# KiCad board UniDebug.kicad_pcb (continued)
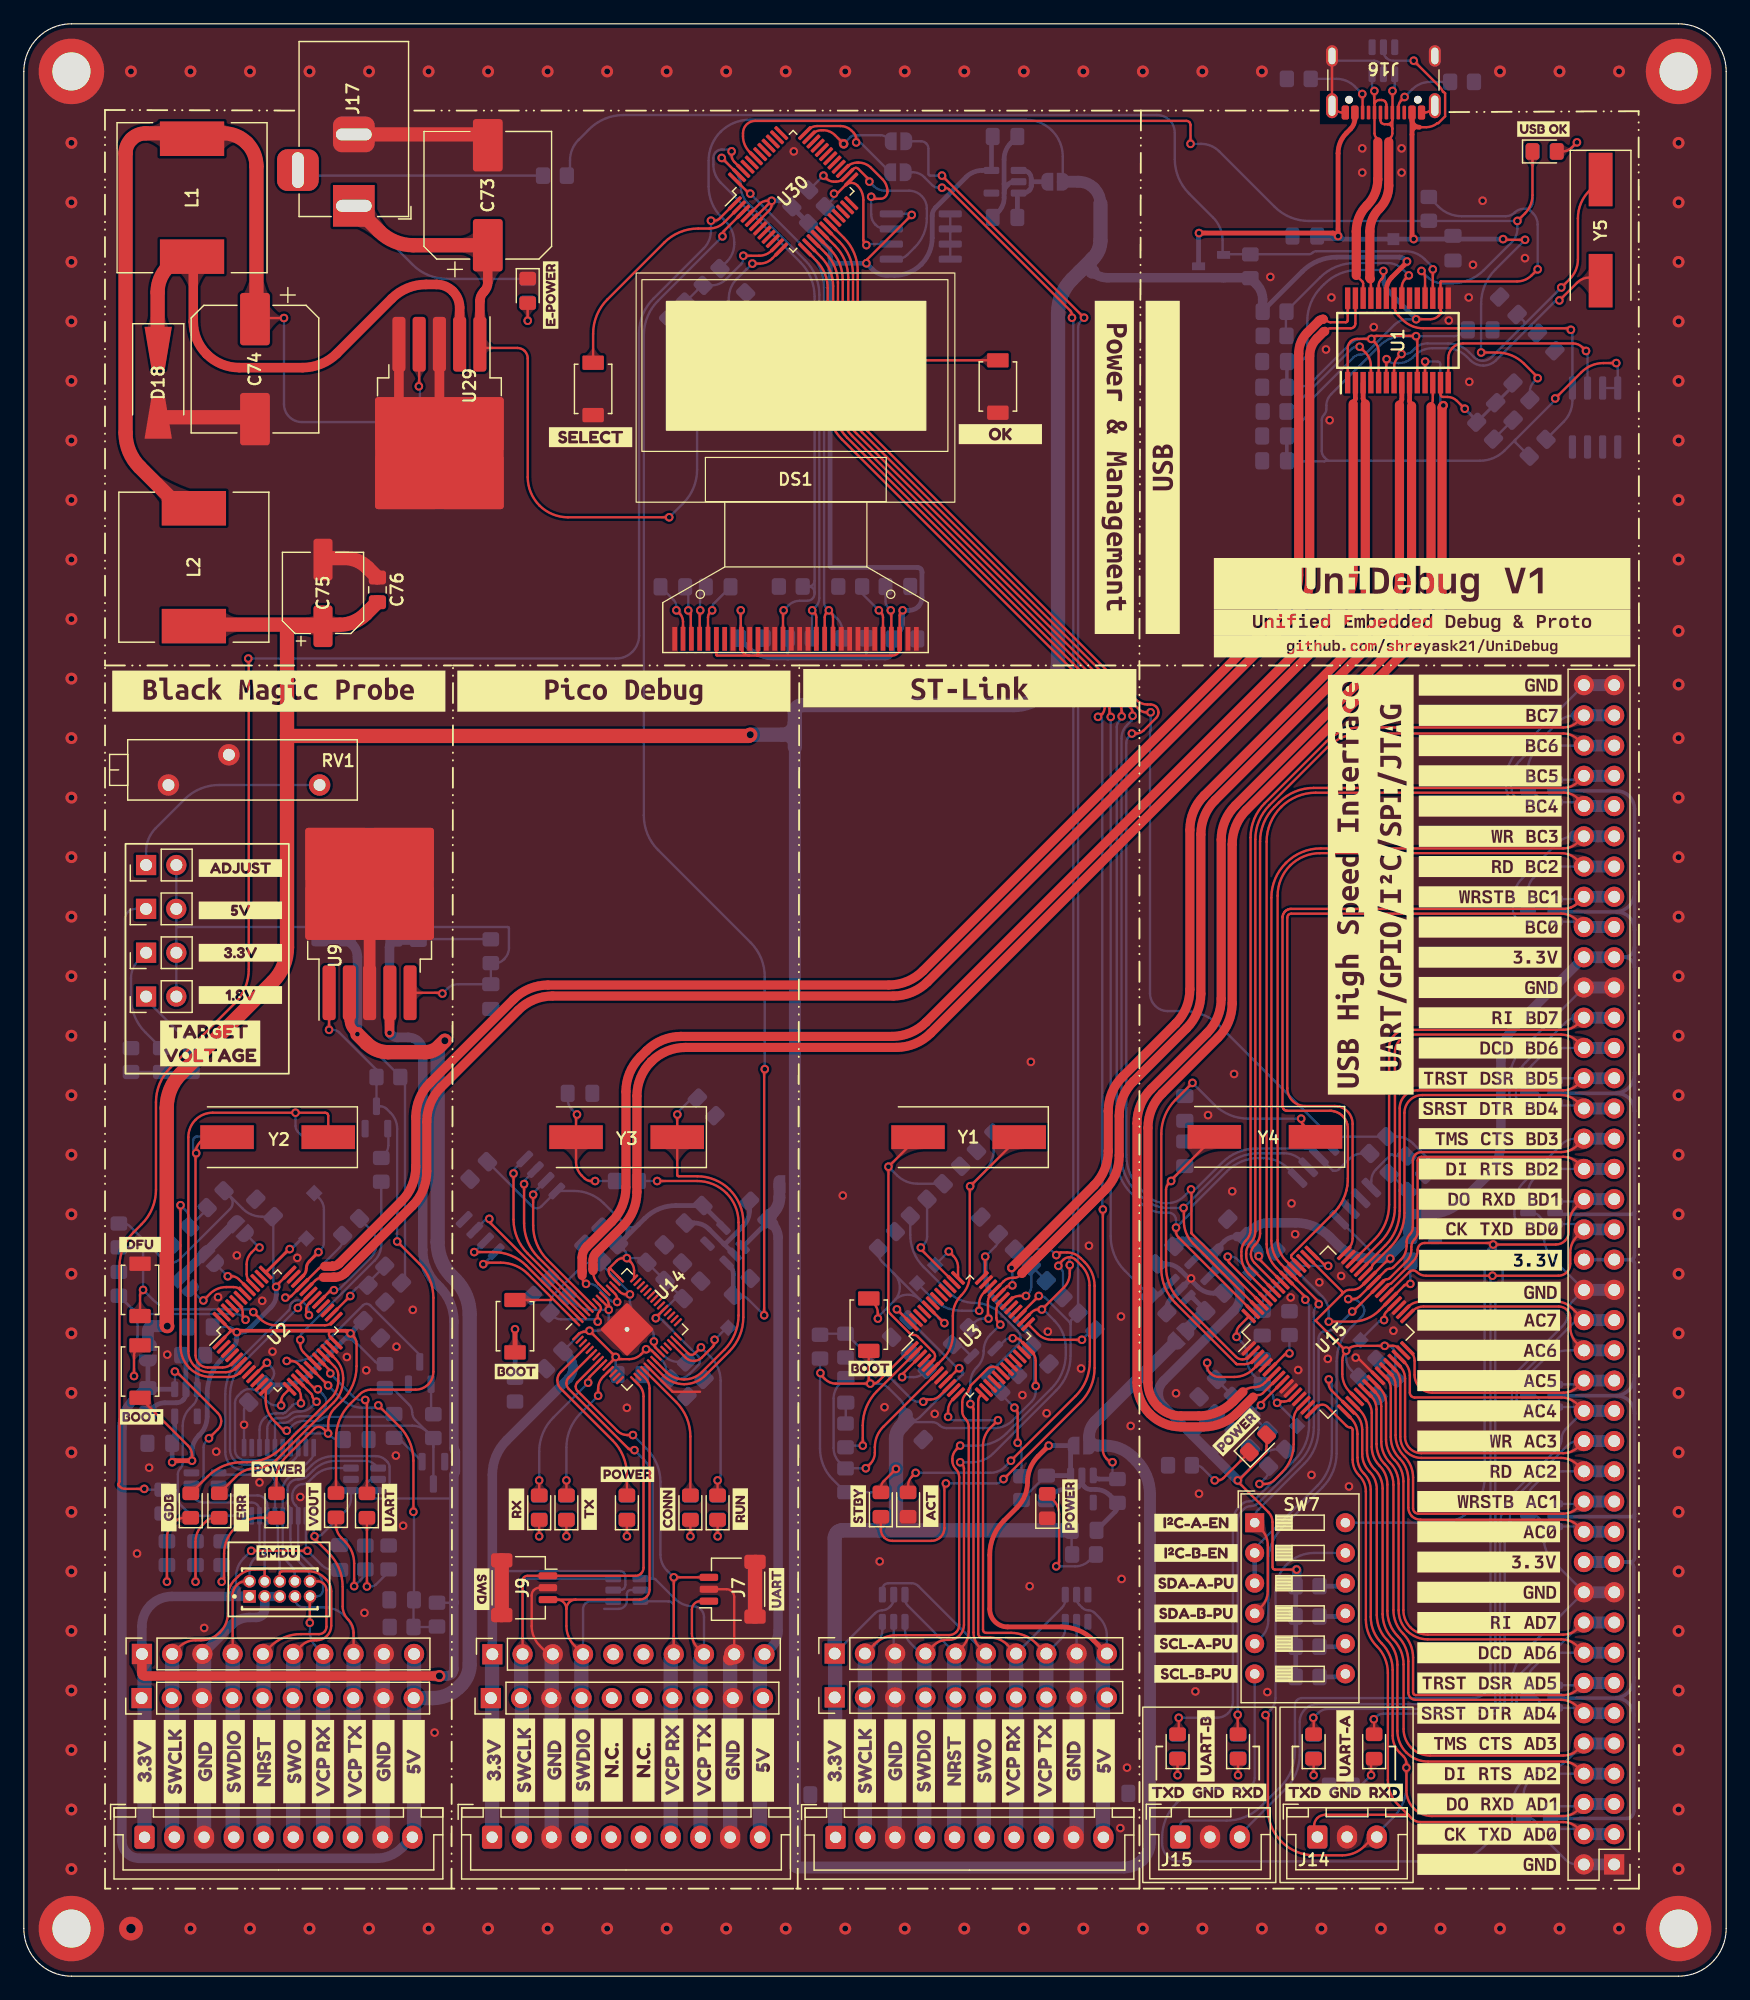
[diagram p0: board, top side]
## Routing (per net, layer and track width the routed paths; a pad name or vN(x,y) marks a point on that pad's centre or on a via; arc(x,y) is an arc through that point) (continued)
  Bottom w1: J13.46 J13.45
/USBHS_FTDI/RXLED1: length 63.5
  Top w0.2: D13.2 113.43,21.53 arc(113.42,21.55) 113.41,21.57 v1(113.4,21.58) ; 115.59,51.24 arc(115.91,50.76) 116.03,50.19 116.03,45.3 arc(116.13,44.78) 116.43,44.33 arc(116.87,44.04) 117.39,43.93 129.32,43.93 arc(129.98,44.07) 130.54,44.44
  Bottom w0.2: 124.83,38.35 124.83,38.9 arc(124.98,39.68) 125.42,40.34 129.67,44.59 arc(130.07,44.86) 130.54,44.95 ; 124.83,38.35 arc(124.91,38.14) 125.12,38.05 ; 124.83,38.35 arc(124.77,38.07) 124.62,37.84 ; 124.62,37.84 124.61,37.84 arc(124.46,37.6) 124.4,37.32 124.4,22.93 arc(124.33,22.59) 124.14,22.31 arc(123.86,22.12) 123.53,22.05 114.2,22.05 arc(113.89,21.99) 113.63,21.82 v1(113.4,21.58) ; 124.62,37.84 arc(124.85,38) 125.12,38.05 ; 125.12,38.05 125.23,38.05 arc(125.41,38.01) 125.56,37.91 arc(125.71,37.81) 125.89,37.78
  Bottom w1: J13.30 J13.29
/USBHS_FTDI/RXLED2: length 116.4
  Top w0.2: v1(101.97,21.96) 101.97,20.35 ; v1(108.78,56.45) 108.78,56.54 arc(108.76,56.63) 108.72,56.7 U15.54 105.61,59.81 arc(105.01,60.71) 104.8,61.77 104.8,90.6 arc(105.11,92.16) 105.99,93.48 106.05,93.54 arc(107.37,94.42) 108.93,94.73 129.32,94.73 arc(129.98,94.87) 130.54,95.24
  Bottom w0.2: v1(108.78,56.45) 108.57,56.24 arc(108.42,56.01) 108.36,55.74 108.36,46.11 arc(108.05,44.55) 107.17,43.22 103.68,39.74 arc(103.41,39.55) 103.08,39.49 arc(102.76,39.42) 102.48,39.24 102.35,39.11 arc(102.07,38.69) 101.97,38.19 v1(101.97,21.96) ; 126.02,88.58 arc(125.72,88.64) 125.46,88.81 125.39,88.88 arc(125.16,89.22) 125.08,89.62 125.08,90.31 arc(125.29,91.35) 125.87,92.22 128.81,95.17 arc(129.46,95.6) 130.22,95.75
  Bottom w1: J13.69 130.22,95.75
/USBHS_FTDI/SCL1: length 109.6
  Top w0.2: U15.19 112.22,47.54 arc(112.67,46.87) 112.83,46.08 112.83,44.15 arc(113,43.29) 113.48,42.56 arc(113.97,41.83) 114.14,40.97 114.14,30.43 arc(114.37,29.28) 115.02,28.3 arc(115.67,27.33) 115.9,26.18 115.9,20.77 arc(116.07,19.91) 116.55,19.19 arc(117.28,18.7) 118.13,18.53 129.32,18.53 arc(129.98,18.67) 130.54,19.04
  Bottom w0.2: SW7.6 103.39,16.66 arc(103.32,16.31) 103.12,16.01 arc(102.83,15.81) 102.48,15.74 99.72,15.74 arc(98.16,15.43) 96.83,14.54 96.81,14.52 arc(95.93,13.2) 95.62,11.64 95.62,11.14 arc(96.06,10.08) 97.12,9.64 119.71,9.64 arc(121.27,9.95) 122.59,10.84 123.48,11.72 arc(124.2,12.21) 125.05,12.38 125.64,12.38 ; J13.10 129.63,18.13 arc(128.83,17.6) 127.89,17.41 arc(126.95,17.22) 126.16,16.69 125.94,16.48 arc(125.25,15.44) 125.01,14.23 125.01,12.89 arc(125.05,12.69) 125.16,12.53 arc(125.33,12.42) 125.52,12.38
  Bottom w1: J13.10 J13.9
/USBHS_FTDI/SCL2: length 75
  Top w0.2: J13.50 130.49,69.79 arc(129.87,69.37) 129.13,69.23 117.39,69.23 arc(117.12,69.17) 116.89,69.02 arc(116.73,68.78) 116.68,68.51 116.68,62.93 arc(116.61,62.59) 116.42,62.3 arc(116.22,62.01) 116.15,61.66 116.15,61.35 arc(116.03,60.71) 115.67,60.17 115.06,59.56 arc(114.91,59.46) 114.73,59.43 arc(114.55,59.39) 114.4,59.29 U15.41 112.24,57.13 arc(111.96,56.94) 111.62,56.88 v1(111.25,56.88)
  Bottom w0.2: SW7.5 103.96,28.5 arc(104.39,29.14) 104.54,29.88 104.54,34.82 arc(104.85,36.38) 105.73,37.71 109.08,41.05 arc(109.96,42.38) 110.28,43.94 110.28,51.65 arc(110.58,53.17) 111.44,54.46 112.4,55.42 arc(112.55,55.64) 112.6,55.9 arc(112.55,56.17) 112.4,56.39 112.15,56.64 arc(111.89,56.81) 111.58,56.88 v1(111.25,56.88) ; 130.35,70.35 arc(129.71,70.22) 129.16,69.86 126,66.7 arc(125.41,65.82) 125.21,64.78 125.21,64.01 arc(125.27,63.69) 125.45,63.42 125.46,63.41 arc(125.72,63.24) 126.02,63.18
  Bottom w1: J13.50 J13.49
/USBHS_FTDI/SDA1: length 77
  Top w0.2: v1(109.62,50.13) 109.62,49.78 arc(109.68,49.46) 109.86,49.19 U15.18 ; 111.33,47.78 111.88,47.23 arc(112.28,46.62) 112.43,45.91 112.43,43.87 arc(112.58,43.07) 113.04,42.39 arc(113.49,41.71) 113.65,40.91 113.65,30.33 arc(113.88,29.2) 114.52,28.24 arc(115.16,27.28) 115.38,26.15 115.38,20.61 arc(115.58,19.62) 116.14,18.78 arc(116.98,18.22) 117.97,18.03 129.32,18.03 arc(129.98,17.89) 130.54,17.52
  Bottom w0.2: v1(109.62,50.13) 109.75,50 arc(109.84,49.86) 109.88,49.69 109.88,44.11 arc(109.56,42.54) 108.68,41.22 103.39,35.93 ; J13.8 127.8,17.01 arc(127.1,16.87) 126.51,16.48 arc(126.11,15.88) 125.97,15.19 U25.3
  Bottom w0.4: SW7.3 SW7.2
  Bottom w1: J13.8 J13.7
/USBHS_FTDI/SDA2: length 65.4
  Top w0.2: 113.44,57.62 111.67,55.85 arc(111.64,55.84) 111.62,55.83 v1(111.59,55.83) ; 114.05,58.24 114.26,58.45 arc(114.37,58.52) 114.5,58.55 arc(114.63,58.57) 114.74,58.65 116.14,60.04 arc(116.44,60.5) 116.55,61.04 116.55,61.25 arc(116.62,61.6) 116.82,61.89 arc(117.01,62.18) 117.08,62.53 117.08,68.51 arc(117.1,68.63) 117.17,68.73 arc(117.27,68.8) 117.39,68.83 129.32,68.83 arc(129.98,68.69) 130.54,68.32 ; SW7.4 103.94,31.02 arc(104.35,31.63) 104.49,32.35 104.49,36.21 arc(104.35,36.93) 103.94,37.54
  Bottom w0.2: J13.48 128.61,67.81 arc(127.75,67.64) 127.02,67.15 126.85,66.99 arc(126.49,66.43) 126.36,65.78 U21.3 ; v1(111.59,55.83) 110.36,54.6 arc(109.89,54.29) 109.35,54.18 arc(108.93,54.01) 108.76,53.59 108.76,45.94 arc(108.45,44.38) 107.57,43.06 103.67,39.16 arc(103.47,38.85) 103.39,38.49
  Bottom w1: J13.48 J13.47
/USBHS_FTDI/TXD1: length 66.4
  Top w0.2: 116.29,13.55 115.44,14.4 arc(114.8,15.35) 114.58,16.47 114.58,25.48 arc(114.34,26.69) 113.66,27.71 arc(112.97,28.74) 112.73,29.94 112.73,40.7 arc(112.59,41.43) 112.18,42.05 arc(111.76,42.67) 111.62,43.39 111.62,45.9 arc(111.56,46.04) 111.43,46.09 arc(111.25,46.13) 111.1,46.23 109.49,47.84 arc(109.08,48.01) 108.67,47.84 ; 116.29,13.55 116.6,13.24 arc(116.93,13.02) 117.32,12.95 129.32,12.95 arc(129.98,12.81) 130.54,12.44 ; 116.29,13.55 arc(116.28,13.55) 116.28,13.56 109.31,13.56 arc(108.96,13.49) 108.66,13.29 arc(108.46,12.99) 108.39,12.63 108.39,11.69
  Bottom w0.2: U25.6 130.6,12.38
  Bottom w1: J13.3 J13.4
/USBHS_FTDI/TXD2: length 94.2
  Top w0.2: J13.44 130.47,62.15 arc(130.05,61.52) 129.9,60.77 129.9,59.83 arc(129.82,59.45) 129.61,59.13 arc(129.28,58.91) 128.9,58.84 117.78,58.84 arc(117.37,58.92) 117.02,59.15 arc(116.7,59.28) 116.38,59.15 U15.38
  Bottom w0.2: v1(123.37,58.84) 123.28,58.76 arc(123.22,58.66) 123.2,58.56 123.2,24.86 arc(122.76,23.8) 121.7,23.36 107.36,23.36 arc(107.13,23.32) 106.94,23.19 arc(106.82,23) 106.77,22.78 106.77,18.81 arc(106.46,17.25) 105.58,15.92 103.92,14.27 arc(102.6,13.38) 101.04,13.07 97.57,13.07 arc(97.41,13.04) 97.27,12.95 arc(97.17,12.81) 97.14,12.64 J15.1 ; U21.6 130.6,63.18
  Bottom w1: J13.43 J13.44
/USBHS_FTDI/TXLED1: length 67.4
  Top w0.2: D14.2 108.35,21.66 arc(108.34,21.68) 108.33,21.69 v1(108.32,21.71) ; J13.32 130.49,48.05 arc(129.87,48.47) 129.13,48.61 116.83,48.61 arc(116.67,48.64) 116.54,48.73 arc(116.46,48.86) 116.43,49.01 116.43,50.47 arc(116.31,51.06) 115.97,51.57
  Bottom w0.2: J13.32 129.52,45.96 arc(129.27,45.58) 129.18,45.14 arc(129.09,44.7) 128.84,44.32 125.2,40.68 arc(124.31,39.35) 124,37.79 124,22.93 arc(123.96,22.75) 123.86,22.59 arc(123.71,22.49) 123.53,22.45 109.58,22.45 arc(109.1,22.36) 108.69,22.08 v1(108.32,21.71) ; U22.6 130.73,47.81
  Bottom w1: J13.32 J13.31
/USBHS_FTDI/TXLED2: length 116.9
  Top w0.2: v1(97.01,21.71) 97.01,20.42 ; v1(107.65,56.82) 107.65,56.94 arc(107.62,57.05) 107.56,57.15 U15.55 105.23,59.48 arc(104.61,60.4) 104.4,61.5 104.4,95.3 arc(104.71,96.86) 105.59,98.19 105.62,98.22 arc(106.95,99.1) 108.51,99.41 129.35,99.41 arc(130,99.28) 130.55,98.92 131.05,98.42
  Bottom w0.2: v1(97.01,21.71) 100.21,21.71 arc(100.73,21.81) 101.17,22.11 arc(101.46,22.55) 101.57,23.06 101.57,38.19 arc(101.7,38.84) 102.06,39.39 102.31,39.64 arc(102.59,39.82) 102.91,39.89 arc(103.24,39.95) 103.52,40.14 106.77,43.39 arc(107.65,44.71) 107.96,46.27 107.96,56.29 arc(107.92,56.49) 107.8,56.67 v1(107.65,56.82) ; U18.6 130.73,98.61
  Bottom w1: J13.71 J13.72
/USBHS_FTDI/VCORE: length 39.8
  Top w0.2: v1(101.86,53.7) 101.86,54.04 arc(101.93,54.35) 102.1,54.61 102.89,55.4 ; v1(109.62,54.98) 111.58,54.98 arc(112.82,55.23) 113.86,55.93 U15.37 115.96,58.02 arc(116.11,58.12) 116.28,58.16 v1(116.47,58.16) ; v1(105.28,48.16) 105.35,48.16 arc(105.43,48.18) 105.49,48.22 arc(105.55,48.26) 105.62,48.27 105.88,48.27 arc(106.18,48.33) 106.44,48.51 ; 108.25,60.76 109.26,59.74 arc(109.35,59.69) 109.46,59.66 v1(109.57,59.66)
  Bottom w0.2: 103.85,55.72 101.88,53.74 arc(101.87,53.73) 101.86,53.72 v1(101.86,53.7) 102.3,53.27 arc(102.62,52.79) 102.73,52.23 102.73,51.95 arc(102.89,51.12) 103.36,50.42 C48.1 104.82,48.96 arc(104.91,48.83) 104.94,48.67 arc(104.97,48.51) 105.06,48.37 v1(105.28,48.16) 106.95,46.49 ; v1(109.57,59.66) 106.8,59.66 ; 106.68,59.49 109.06,57.11 arc(109.47,56.49) 109.62,55.77 v1(109.62,54.98) ; 104.03,56.14 104.03,56.39 arc(104.12,56.85) 104.38,57.24 106.63,59.49 ; v1(116.47,58.16) C49.1
Net-(C30-Pad2): length 9.8
  Top w0.2: v1(47.99,66.79) 47.66,66.79 arc(47.35,66.86) 47.09,67.03 46.85,67.26 arc(46.51,67.78) 46.39,68.39 Y3.2 46.39,72.24 arc(46.4,72.3) 46.43,72.34 v1(46.47,72.38)
  Bottom w0.2: v1(46.47,72.38) 46.04,72.81 arc(45.78,73.2) 45.68,73.66 ; v1(47.99,66.79) 49.62,66.79
Net-(C74-Pad1): length 76.5
  Top w0.2: v1(21.85,139.29) 19.51,139.29
  Top w1.2: 13.19,123.31 9.74,126.76 arc(8.86,128.08) 8.55,129.64 8.55,153.12 arc(8.67,153.76) 9.04,154.31 arc(9.59,154.67) 10.23,154.8 13.67,154.8 ; 14.59,154.8 16.77,154.8 arc(17.83,154.59) 18.73,153.99 arc(19.33,153.09) 19.54,152.03 19.54,139.32
  Bottom w0.2: v1(21.85,139.29) 21.85,132.05 arc(22.29,130.99) 23.35,130.55 R84.2
Net-(D1-K): length 44.2
  Top w0.2: v1(82.3,41.76) 82.3,41.76 arc(82.31,41.76) 82.31,41.76 88.75,48.2 arc(89.63,49.52) 89.95,51.08 89.95,57.98 arc(89.73,59.06) 89.12,59.97 88.78,60.32 arc(88.25,60.67) 87.62,60.79 87.11,60.79 arc(86.96,60.76) 86.84,60.68 v1(86.73,60.57) ; v1(77.46,41.39) 77.39,41.33 arc(77.35,41.26) 77.33,41.18 77.33,37.65 arc(77.25,37.24) 77.01,36.89 arc(76.66,36.65) 76.24,36.57 72.95,36.57 arc(72.58,36.64) 72.27,36.85 arc(72.07,37.16) 71.99,37.52 D1.1
  Bottom w0.2: v1(82.3,41.76) 82.12,41.57 arc(81.92,41.44) 81.68,41.39 v1(77.46,41.39) ; v1(86.73,60.57) 86.47,60.82 arc(86.19,61.01) 85.86,61.08 R12.1
Net-(D2-A): length 34.7
  Top w0.2: v1(74.92,42.28) 74.6,41.97 arc(74.36,41.61) 74.28,41.2 D2.2 ; v1(82.92,43.3) 88.35,48.73 arc(89.23,50.06) 89.55,51.62 89.55,53.71 arc(89.54,53.73) 89.53,53.74 arc(89.52,53.76) 89.52,53.77 89.52,58.03 arc(89.34,58.93) 88.83,59.7 88.35,60.18 arc(88.11,60.34) 87.83,60.39 arc(87.55,60.34) 87.32,60.18 86.94,59.8 arc(86.91,59.76) 86.9,59.72 v1(86.9,59.67)
  Bottom w0.2: v1(86.9,59.67) 87.1,59.47 arc(87.24,59.26) 87.29,59 R13.1 ; v1(74.92,42.28) 81.18,42.28 arc(81.85,42.41) 82.41,42.79 v1(82.92,43.3)
Net-(D3-K): length 9.9
  Top w0.2: D3.1 19.85,38.51 arc(18.69,38.28) 17.71,37.62 arc(17.05,36.64) 16.82,35.48 16.82,33.48 arc(16.8,33.34) 16.72,33.23 v1(16.62,33.13)
  Bottom w0.2: v1(16.62,33.13) R33.1
Net-(D4-K): length 8.3
  Top w0.2: v1(28.82,32.73) D4.1
  Bottom w0.2: v1(28.82,32.73) 29.12,32.73 arc(29.35,32.78) 29.57,32.89 30.64,33.97 R46.1
Net-(D5-K): length 7.6
  Top w0.2: v1(12.02,33.13) 12.02,36.84 arc(12.15,37.48) 12.51,38.02 12.64,38.15 arc(13.04,38.41) 13.51,38.51
  Bottom w0.2: v1(12.02,33.13) R48.1
Net-(D6-K): length 7.5
  Top w0.2: v1(14.42,33.13) 14.42,36.48 arc(14.58,37.26) 15.02,37.92 15.32,38.22 arc(15.64,38.43) 16.02,38.51
  Bottom w0.2: v1(14.42,33.13) R49.1
Net-(D7-K): length 7.6
  Top w0.2: v1(27.75,32.76) 27.75,34.68 arc(27.55,35.67) 26.99,36.52 26.67,36.84 arc(26.34,37.33) 26.22,37.91 D7.1
  Bottom w0.2: v1(27.75,32.76) 28.69,33.7
Net-(D8-K): length 2.8
  Top w0.2: v1(50.66,36.95) D8.1
  Bottom w0.2: v1(50.66,36.95) R55.1
Net-(D9-K): length 2.8
  Top w0.2: v1(43.29,36.95) D9.1
  Bottom w0.2: v1(43.29,36.95) R56.1
Net-(D10-K): length 2.8
  Top w0.2: v1(45.58,36.95) D10.1
  Bottom w0.2: v1(45.58,36.95) R57.1
Net-(D11-K): length 2.8
  Top w0.2: v1(55.99,36.95) D11.1
  Bottom w0.2: v1(55.99,36.95) R58.1
Net-(D12-K): length 2.8
  Top w0.2: v1(58.28,36.95) D12.1
  Bottom w0.2: v1(58.28,36.95) R59.1
Net-(D13-K): length 2.7
  Top w0.2: v1(113.17,16.88) 113.17,18.02
  Bottom w0.2: v1(113.17,16.88) 112.3,16.01 arc(112.14,15.9) 111.96,15.87
Net-(D14-K): length 2.8
  Top w0.2: v1(108.35,16.88) D14.1
  Bottom w0.2: v1(108.35,16.88) R68.1
Net-(D15-K): length 2.8
  Top w0.2: v1(102,16.88) D15.1
  Bottom w0.2: v1(102,16.88) R69.1
Net-(D16-K): length 2.8
  Top w0.2: v1(96.92,16.88) D16.1
  Bottom w0.2: v1(96.92,16.88) R70.1
Net-(D17-A): length 3
  Top w0.2: v1(130.46,154.04) 130.02,153.6 arc(129.66,153.36) 129.24,153.27
  Bottom w0.2: v1(130.46,154.04) 130.03,153.61 arc(129.66,153.36) 129.22,153.27
Net-(D18-K): length 44.9
  Top w0.8: 14.23,144.34 14.23,138.98 arc(14.53,137.5) 15.37,136.25 arc(16.62,135.41) 18.09,135.12 23.42,135.12 arc(24.98,135.43) 26.3,136.32 30.9,140.91 arc(32.22,141.8) 33.78,142.11 34.66,142.11 arc(35.41,141.96) 36.04,141.53 arc(36.46,140.9) 36.61,140.16 U29.2
  Top w1.2: 12.99,144.44 12.11,143.57 arc(11.47,142.6) 11.24,141.45 11.24,136.8
Net-(D19-A): length 3
  Top w0.2: v1(42.33,139.06) 42.33,140.55
  Bottom w0.2: R86.2 42.33,139.06 arc(42.33,139.06) v1(42.33,139.06)
Net-(D20-A): length 10.2
  Top w0.2: v1(86.73,34.42) 86.85,34.54 arc(86.93,34.68) 86.96,34.83 86.96,38.81 arc(86.83,39.46) 86.46,40.01 D20.2
  Bottom w0.2: v1(86.73,34.42) 88.31,34.42 arc(88.9,34.53) 89.42,34.83 90.01,35.43 R14.2
Net-(D21-K): length 6
  Top w0.2: v1(100.03,41.65) 100.3,41.65 arc(100.55,41.7) 100.76,41.84 D21.1
  Bottom w0.2: v1(100.03,41.65) 98.99,42.69 arc(98.74,42.86) 98.44,42.92
Net-(DS1-C1N): length 5.1
  Top w0.2: DS1.5 57.47,114.14 arc(57.52,114.37) 57.65,114.56 v1(57.82,114.73)
  Bottom w0.2: C79.2 57.97,115.31 arc(57.86,115.15) 57.82,114.95 v1(57.82,114.73)
Net-(DS1-C1P): length 3.9
  Top w0.2: v1(56.82,114.73) 56.8,114.71 arc(56.78,114.68) 56.77,114.65 DS1.4
  Bottom w0.2: 56.8,116.22 56.8,114.77 arc(56.81,114.75) 56.81,114.74 v1(56.82,114.73)
Net-(DS1-C2N): length 5.1
  Top w0.2: DS1.2 55.37,113.78 arc(55.3,114.15) 55.09,114.46 v1(54.82,114.73)
  Bottom w0.2: v1(54.82,114.73) 54.82,115.05 arc(54.76,115.35) 54.59,115.6 C78.1
Net-(DS1-C2P): length 4.1
  Top w0.2: 56.02,112.38 56.02,114.37 arc(56,114.51) 55.92,114.62 v1(55.82,114.73)
  Bottom w0.2: v1(55.82,114.73) 55.82,116.45
Net-(DS1-IREF): length 4.5
  Top w0.2: DS1.26 72.17,114.14 arc(72.13,114.37) 72,114.56 v1(71.82,114.73)
  Bottom w0.2: v1(71.82,114.73) 70.42,116.13
Net-(DS1-VCOMH): length 4.6
  Top w0.2: v1(72.82,114.73) 72.85,114.71 arc(72.87,114.68) 72.87,114.65 DS1.27
  Bottom w0.2: v1(72.82,114.73) 72.6,114.95 arc(72.44,115.19) 72.39,115.48 C77.2
Net-(J13-Pin_11): length 45.5
  Top w0.2: J13.12 130.49,22.65 arc(129.87,23.07) 129.13,23.21 116.92,23.21 arc(116.68,23.26) 116.48,23.39 arc(116.35,23.59) 116.3,23.83 116.3,26.43 arc(116.07,27.58) 115.42,28.56 arc(114.77,29.53) 114.54,30.68 114.54,41.29 arc(114.37,42.15) 113.88,42.88 arc(113.4,43.61) 113.23,44.47 113.23,47.32 arc(113.11,47.9) 112.78,48.4
  Bottom w0.2: U24.6 130.6,22.54
  Bottom w1: J13.11 J13.12
Net-(J13-Pin_13): length 44.7
  Top w0.2: 113.17,48.74 arc(113.51,48.23) 113.63,47.63 113.63,44.71 arc(113.81,43.78) 114.34,42.99 arc(114.86,42.21) 115.05,41.28 115.05,30.75 arc(115.26,29.67) 115.87,28.76 arc(116.48,27.84) 116.7,26.76 116.7,23.83 arc(116.72,23.75) 116.76,23.68 arc(116.83,23.63) 116.92,23.61 129.32,23.61 arc(129.98,23.75) 130.54,24.12
  Bottom w0.2: U24.4 130.86,24.44
  Bottom w1: J13.13 J13.14
Net-(J13-Pin_15): length 45.7
  Top w0.2: J13.16 130.49,27.73 arc(129.87,28.15) 129.13,28.29 117.92,28.29 arc(116.99,28.48) 116.2,29.01 arc(115.67,29.8) 115.48,30.73 115.48,41.38 arc(115.3,42.33) 114.76,43.14 arc(114.22,43.95) 114.03,44.9 114.03,47.86 arc(113.9,48.51) 113.53,49.06 U15.23
  Bottom w0.2: J13.16 129.26,27.17 arc(128.15,26.95) 127.21,26.32 126.72,25.83 arc(126.45,25.43) 126.36,24.95 U24.3
  Bottom w1: J13.16 J13.15
Net-(J13-Pin_17): length 48.5
  Top w0.2: U15.24 113.91,49.39 arc(114.29,48.81) 114.43,48.14 114.43,45.1 arc(114.62,44.15) 115.16,43.34 arc(115.7,42.53) 115.88,41.58 115.88,30.73 arc(116.04,29.95) 116.48,29.29 arc(117.14,28.85) 117.92,28.69 129.32,28.69 arc(129.98,28.83) 130.54,29.2
  Bottom w0.2: 130.92,29.71 129.1,27.88 arc(128.75,27.65) 128.34,27.57 arc(127.93,27.49) 127.58,27.26 125.72,25.39 arc(125.48,25.04) 125.39,24.61 125.39,23.05 arc(125.43,22.85) 125.54,22.69 arc(125.71,22.58) 125.91,22.54
  Bottom w1: J13.17 J13.18
Net-(J13-Pin_23): length 30.8
  Top w0.2: 114.46,50.25 arc(114.73,49.84) 114.83,49.37 114.83,45.28 arc(115.02,44.32) 115.56,43.5 arc(116.11,42.68) 116.3,41.72 116.3,39.36 arc(116.38,38.97) 116.6,38.64 arc(116.93,38.42) 117.32,38.35 129.32,38.35 arc(129.98,38.21) 130.54,37.84
  Bottom w0.2: U23.6 130.6,37.78
  Bottom w1: J13.24 J13.23
Net-(J13-Pin_25): length 30.8
  Top w0.2: 130.54,39.36 arc(129.98,38.99) 129.32,38.85 117.13,38.85 arc(116.97,38.89) 116.83,38.98 arc(116.73,39.12) 116.7,39.29 116.7,41.89 arc(116.51,42.85) 115.96,43.67 arc(115.42,44.48) 115.23,45.44 115.23,49.64 arc(115.12,50.15) 114.84,50.58
  Bottom w0.2: U23.4 130.86,39.68
  Bottom w1: J13.25 J13.26
Net-(J13-Pin_27): length 31.3
  Top w0.2: J13.28 130.49,42.97 arc(129.87,43.39) 129.13,43.53 117.39,43.53 arc(116.72,43.67) 116.14,44.05 arc(115.76,44.62) 115.63,45.3 115.63,49.92 arc(115.52,50.45) 115.22,50.91
  Bottom w0.2: U23.3 126.36,40.19 arc(126.45,40.67) 126.72,41.07 127.21,41.56 arc(128.15,42.19) 129.26,42.41 J13.28
  Bottom w1: J13.28 J13.27
Net-(J13-Pin_33): length 21.3
  Top w0.2: 130.54,49.52 arc(129.98,49.15) 129.32,49.01 118.33,49.01 arc(117.26,49.45) 116.83,50.51 116.83,51.7 arc(116.75,52.09) 116.52,52.43
  Bottom w0.2: U22.4 130.73,49.71
  Bottom w1: J13.33 J13.34
Net-(J13-Pin_35): length 25.8
  Top w0.2: J13.36 130.47,53.14 arc(130.05,53.78) 129.9,54.53 129.9,55.3 arc(129.83,55.66) 129.62,55.97 arc(129.31,56.18) 128.95,56.25 117.58,56.25 arc(117.06,56.15) 116.62,55.85
  Bottom w0.2: J13.36 129.74,52.57 arc(128.54,52.33) 127.52,51.65 126.63,50.76 arc(126.43,50.46) 126.36,50.1 U22.3
  Bottom w1: J13.36 J13.35
Net-(J13-Pin_37): length 27.6
  Top w0.2: J13.38 130,56.16 arc(129.45,56.52) 128.8,56.65 117.31,56.65 arc(116.76,56.54) 116.29,56.23
  Bottom w0.2: 130.41,55.11 125.66,50.35 arc(125.46,50.06) 125.39,49.72 125.39,48.32 arc(125.43,48.13) 125.54,47.96 arc(125.71,47.85) 125.91,47.81
  Bottom w1: J13.37 J13.38
Net-(J13-Pin_51): length 35.5
  Top w0.2: J13.52 130.49,73.45 arc(129.87,73.87) 129.13,74.01 117.47,74.01 arc(116.41,73.57) 115.97,72.51 115.97,64.11 arc(115.66,62.55) 114.78,61.23 113.3,59.75 arc(113.27,59.7) 113.25,59.63 arc(113.24,59.57) 113.2,59.51 U15.43
  Bottom w0.2: 128.82,73.14 130.8,73.14
  Bottom w1: J13.52 J13.51
Net-(J13-Pin_53): length 35.5
  Top w0.2: U15.44 114.38,61.39 arc(115.26,62.72) 115.57,64.28 115.57,72.91 arc(116.01,73.97) 117.07,74.41 129.32,74.41 arc(129.98,74.55) 130.54,74.92
  Bottom w0.2: J13.54 128.82,75.43
  Bottom w1: J13.54 J13.53
Net-(J13-Pin_55): length 44.9
  Top w0.2: J13.56 130.49,78.53 arc(129.87,78.95) 129.13,79.09 116.67,79.09 arc(115.61,78.65) 115.17,77.59 115.17,64.59 arc(114.86,63.02) 113.98,61.7 U15.45
  Bottom w0.2: U20.3 126.36,75.72 arc(126.44,76.16) 126.7,76.54 127.24,77.08 arc(128.22,77.74) 129.38,77.97 J13.56
  Bottom w1: J13.56 J13.55
Net-(J13-Pin_57): length 48.2
  Top w0.2: U15.46 113.49,61.92 arc(114.37,63.24) 114.69,64.8 114.69,77.99 arc(115.12,79.05) 116.19,79.49 129.32,79.49 arc(129.98,79.63) 130.54,80
  Bottom w0.2: 130.48,80.51 arc(129.95,80.4) 129.5,80.11 126.13,76.73 arc(125.54,75.85) 125.33,74.82 125.33,73.95 arc(125.38,73.72) 125.51,73.52 arc(125.71,73.38) 125.95,73.34
  Bottom w1: J13.57 131.34,80.51 ; 130.76,80.51 130.48,80.51
Net-(J13-Pin_63): length 62.1
  Top w0.2: J13.64 130.49,88.69 arc(129.87,89.11) 129.13,89.25 106.46,89.25 arc(106.33,89.23) 106.23,89.16 arc(106.16,89.05) 106.13,88.93 106.13,74.59 arc(106.57,73.53) 107.63,73.09 110.12,73.09 arc(111.18,72.65) 111.62,71.59 111.62,61.96 arc(111.53,61.5) 111.27,61.11
  Bottom w0.2: U19.6 130.6,88.58
  Bottom w1: J13.63 J13.64
Net-(J13-Pin_65): length 65.5
  Top w0.2: 130.54,90.16 130.44,90.07 130.22,89.91 129.98,89.78 129.72,89.7 129.45,89.66 129.32,89.65 106.46,89.65 106.36,89.65 106.18,89.6 106.01,89.51 105.94,89.44 105.88,89.37 105.78,89.21 105.73,89.02 105.73,88.93 105.73,73.09 105.74,73.01 105.8,72.87 105.85,72.81 105.91,72.76 106.05,72.7 106.13,72.69 109.72,72.69 109.84,72.69 110.07,72.65 110.29,72.58 110.5,72.47 110.69,72.34 110.86,72.17 111,71.98 111.11,71.77 111.18,71.54 111.22,71.31 111.22,71.19 111.22,66.99 111.22,66.79 111.18,66.39 111.1,66 110.98,65.62 110.83,65.25 110.64,64.89 110.42,64.56 110.16,64.25 110.02,64.11 110.02,64.11 106.46,60.55 106.46,60.37 106.7,60.13
  Bottom w0.2: U19.4 130.86,90.48
  Bottom w1: J13.65 J13.66
Net-(J13-Pin_67): length 69
  Top w0.2: U15.53 106.05,60.07 arc(105.51,60.88) 105.32,61.84 105.32,90.77 arc(105.59,92.13) 106.36,93.29 arc(107.52,94.06) 108.89,94.33 129.13,94.33 arc(129.87,94.19) 130.49,93.77 J13.68
  Bottom w0.2: U19.3 126.36,91.15 arc(126.48,91.77) 126.83,92.29 127.05,92.51 arc(127.82,93.03) 128.73,93.21 J13.68
  Bottom w1: J13.68 J13.67
Net-(J13-Pin_73): length 72.5
  Top w0.2: U15.57 103.38,59.92 arc(103.15,60.25) 103.08,60.65 arc(103.15,61.05) 103.38,61.39 103.46,61.47 arc(103.75,61.89) 103.85,62.4 103.85,95.32 arc(104.16,96.88) 105.04,98.2 105.46,98.62 arc(106.78,99.5) 108.34,99.81 129.32,99.81 arc(129.98,99.95) 130.54,100.32
  Bottom w0.2: U18.4 130.73,100.51
  Bottom w1: J13.74 J13.73
Net-(J13-Pin_75): length 79.8
  Top w0.2: U15.58 103.15,59.44 arc(102.8,59.96) 102.68,60.58 102.68,60.7 arc(102.78,61.21) 103.06,61.63 arc(103.35,62.06) 103.45,62.56 103.45,95.48 arc(103.76,97.04) 104.64,98.37 109.46,103.19 arc(110.79,104.08) 112.35,104.39 129.32,104.39 arc(129.98,104.25) 130.54,103.88
  Bottom w0.2: J13.76 128.3,103.37 arc(127.55,103.22) 126.92,102.8 arc(126.5,102.17) 126.36,101.43 U18.3
  Bottom w1: J13.76 J13.75
Net-(J13-Pin_77): length 85.1
  Top w0.2: U15.59 102.91,58.97 arc(102.44,59.67) 102.28,60.51 102.28,60.87 arc(102.38,61.37) 102.66,61.8 arc(102.95,62.23) 103.05,62.73 103.05,95.65 arc(103.36,97.21) 104.24,98.53 109.41,103.7 arc(110.73,104.58) 112.29,104.89 129.32,104.89 arc(129.98,105.03) 130.54,105.4
  Bottom w0.2: 130.46,105.91 130.26,105.91 arc(129.53,105.76) 128.91,105.35 125.68,102.12 arc(125.14,101.32) 124.95,100.37 124.95,99.87 arc(125.05,99.39) 125.32,98.98 125.46,98.84 arc(125.72,98.67) 126.02,98.61
  Bottom w1: 130.85,105.91 130.46,105.91 ; J13.77 J13.78
Net-(J16-CC1): length 5.3
  Top w0.2: v1(115.99,157.85) 115.72,157.59 arc(115.53,157.3) 115.46,156.95
  Bottom w0.2: v1(115.99,157.85) 116.62,158.49 arc(117.32,158.96) 118.15,159.12 R78.1
Net-(J16-CC2): length 6.3
  Top w0.2: v1(112.43,158.11) 112.44,158.09 arc(112.45,158.08) 112.46,158.06 J16.B5
  Bottom w0.2: v1(112.43,158.11) 111.79,158.74 arc(111.09,159.21) 110.26,159.38 R77.2
Net-(J17-Pad3): length 20.1
  Bottom w0.2: R75.1 23.48,151.25
Net-(JP2-B): length 5.1
  Top w0.2: v1(19.8,61.21) 19.67,61.21 arc(19.55,61.18) 19.45,61.12 19.13,60.79 arc(18.82,60.34) 18.72,59.8 18.72,58.98 arc(18.79,58.62) 18.99,58.32
  Bottom w0.2: JP2.2 19.77,61.21 arc(19.78,61.21) 19.79,61.21 v1(19.8,61.21)
Net-(JP3-B): length 3.6
  Top w0.2: v1(17.13,58.79) 17.47,58.79 arc(17.78,58.73) 18.05,58.55 U2.41
  Bottom w0.2: v1(17.13,58.79) 16.14,59.78
Net-(JP4-B): length 5.1
  Top w0.2: v1(15.08,56.76) 15.64,57.32 arc(16.27,57.74) 17,57.89 17.63,57.89 arc(17.98,57.81) 18.28,57.61
  Bottom w0.2: JP4.2 14.93,56.8 arc(14.98,56.77) 15.03,56.76 v1(15.08,56.76)
Net-(JP7-A): length 8.4
  Bottom w0.2: R39.1 10.2,79.3 arc(9.31,80.62) 9,82.18 9,83.8 arc(9.17,84.63) 9.64,85.34
Net-(JP8-A): length 5.4
  Bottom w0.2: 14.08,78.22 10.27,82.03
Net-(JP9-A): length 18.4
  Bottom w0.2: RV1.1 16.39,100.06 arc(14.83,99.75) 13.51,98.86 11.08,96.44 arc(10.48,95.54) 10.27,94.48 JP9.1
Net-(JP10-A): length 12.9
  Bottom w0.2: 10.27,89.65 9.36,89.65 arc(9.03,89.59) 8.75,89.4 arc(8.56,89.12) 8.49,88.79 8.49,78.82 arc(8.56,78.49) 8.75,78.21
Net-(JP10-B): length 51.5
  Top w0.2: U9.5 35.05,82.61 arc(35.09,82.6) 35.13,82.58 v1(35.16,82.54)
  Bottom w0.2: 12.81,88.26 JP8.2 ; 12.81,88.26 JP9.2 ; 12.81,88.26 arc(12.85,88.17) 12.94,88.13 40.65,88.13 arc(40.69,88.12) 40.72,88.1 arc(40.74,88.07) 40.75,88.03 40.75,86.37 arc(40.66,85.88) 40.38,85.47 40.28,85.37 arc(39.98,85.17) 39.62,85.1 ; v1(35.16,82.54) 35.56,82.93 arc(35.99,83.22) 36.5,83.33 C19.1 R43.2
Net-(JP11-A): length 4.3
  Bottom w0.4: U26.1 97.98,57.05 arc(98.13,57.02) 98.25,56.94 C62.1
  Bottom w1: JP11.1 97.65,54.25 arc(97.66,54.27) 97.67,54.29 C62.1
Net-(JP12-A): length 6
  Bottom w0.4: 84.62,150.63 84.62,151 arc(84.57,151.26) 84.42,151.48 arc(84.2,151.63) 83.94,151.68 ; 84.62,150.63 84.62,150.36 arc(84.59,150.2) 84.5,150.06 84.42,149.98 arc(84.2,149.84) 83.94,149.78 ; 84.62,150.63 arc(84.65,150.7) 84.72,150.73 JP12.1 ; C83.1 83.46,149.68
